# KiCad board DecentXE-Vintage.kicad_pcb (continued)
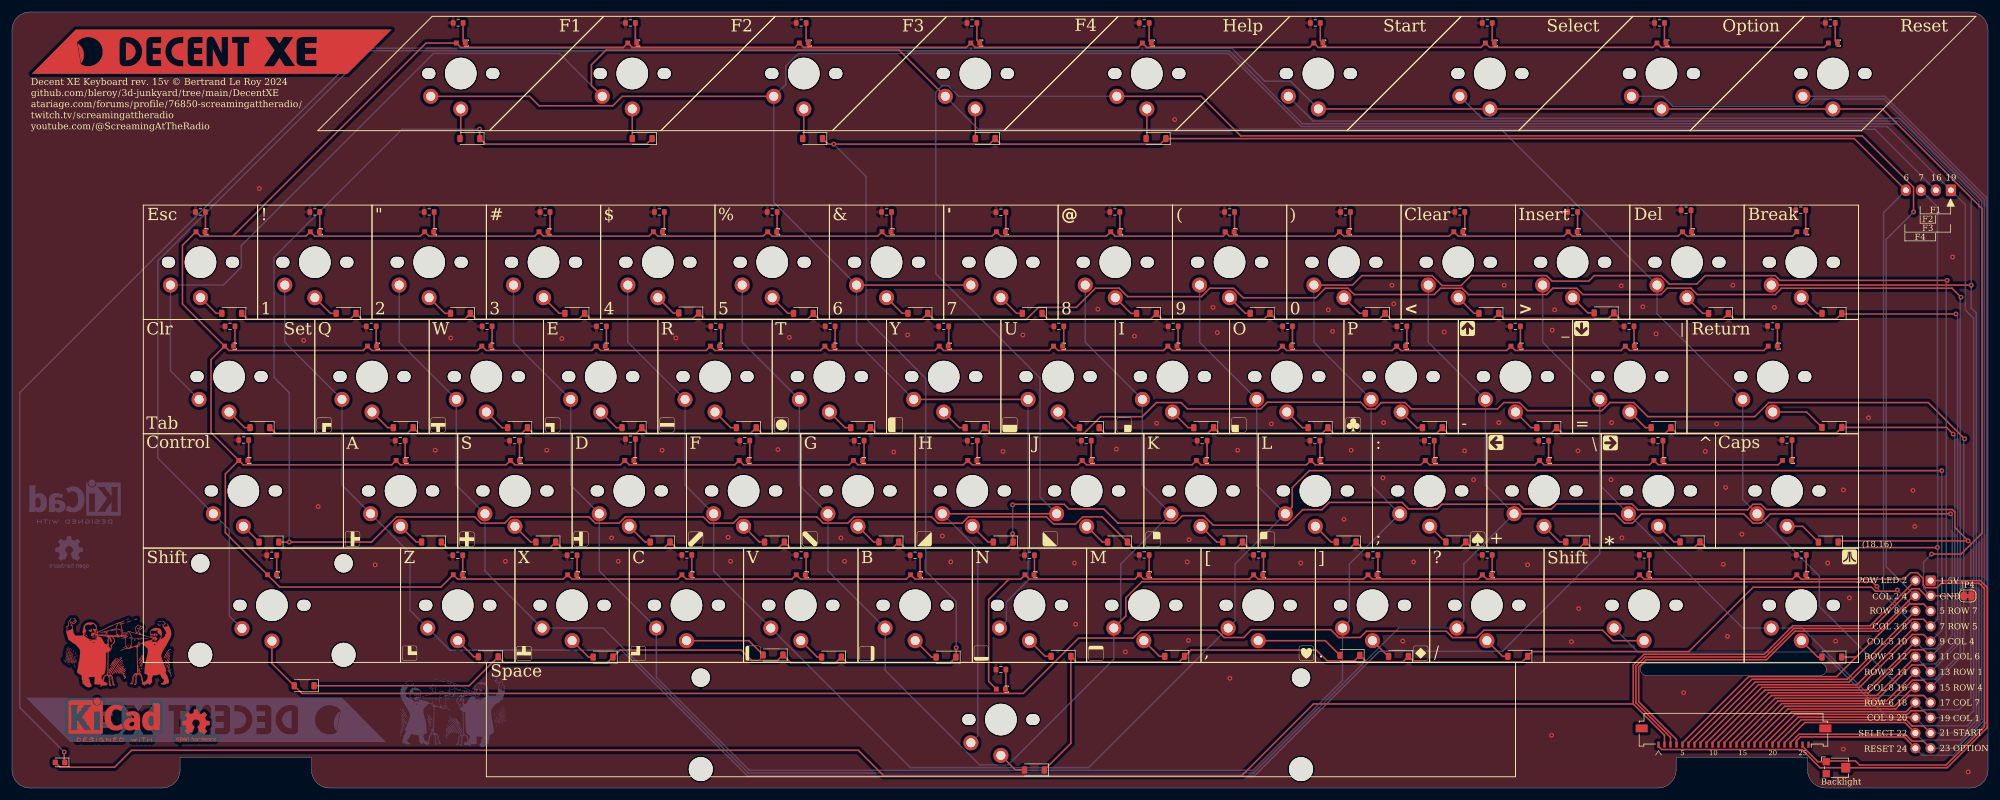
[diagram p0: board, top side]
## Nets (continued)
Net-(D123-A): D123.2 SWFn2.2
Net-(D124-A): D124.2 SWCps1.2
Net-(D125-A): D125.2 SWFn4.2
Net-(D126-A): D126.2 SWBrk1.2
Net-(D127-A): D127.2 SWCtl1.2
Net-(D128-A): D128.2 SWLeftSft1.2 SWRightSft1.2
Net-(R1-Pad1): R1.1 SW7.3
Net-(R2-Pad1): R2.1 SW6.3
Net-(R3-Pad1): R3.1 SWU1.3
Net-(R4-Pad1): R4.1 SWY1.3
Net-(R5-Pad1): R5.1 SWFn1.3
Net-(R6-Pad1): R6.1 SWN1.3
Net-(R7-Pad1): R7.1 SWFn3.3
Net-(R8-Pad1): R8.1 SWJ1.3
Net-(R9-Pad1): R9.1 SWH1.3
Net-(R10-Pad1): R10.1 SWSpc1.3
Net-(R11-Pad1): R11.1 SWHlp1.3
Net-(R12-Pad1): R12.1 SW8.3
Net-(R13-Pad1): R13.1 SW5.3
Net-(R14-Pad1): R14.1 SWI1.3
Net-(R15-Pad1): R15.1 SWT1.3
Net-(R16-Pad1): R16.1 SWK1.3
Net-(R17-Pad1): R17.1 SWG1.3
Net-(R18-Pad1): R18.1 SWM1.3
Net-(R19-Pad1): R19.1 SWB1.3
Net-(R20-Pad1): R20.1 SW9.3
Net-(R21-Pad1): R21.1 SW4.3
Net-(R22-Pad1): R22.1 SWO1.3
Net-(R23-Pad1): R23.1 SWR1.3
Net-(R24-Pad1): R24.1 SWL1.3
Net-(R25-Pad1): R25.1 SWF1.3
Net-(R26-Pad1): R26.1 SWComma1.3
Net-(R27-Pad1): R27.1 SWV1.3
Net-(R28-Pad1): R28.1 SW0.3
Net-(R29-Pad1): R29.1 SW3.3
Net-(R30-Pad1): R30.1 SWP1.3
Net-(R31-Pad1): R31.1 SWE1.3
Net-(R32-Pad1): R32.1 SWSemi1.3
Net-(R33-Pad1): R33.1 SWD1.3
Net-(R34-Pad1): R34.1 SWPeriod1.3
Net-(R35-Pad1): R35.1 SWC1.3
Net-(R36-Pad1): R36.1 SWLT1.3
Net-(R37-Pad1): R37.1 SW2.3
Net-(R38-Pad1): R38.1 SWDash1.3
Net-(R39-Pad1): R39.1 SWW1.3
Net-(R40-Pad1): R40.1 SWPlus1.3
Net-(R41-Pad1): R41.1 SWS1.3
Net-(R42-Pad1): R42.1 SWSlash1.3
Net-(R43-Pad1): R43.1 SWX1.3
Net-(R44-Pad1): R44.1 SWGT1.3
Net-(R45-Pad1): R45.1 SW1.3
Net-(R46-Pad1): R46.1 SWEqual1.3
Net-(R47-Pad1): R47.1 SWQ1.3
Net-(R48-Pad1): R48.1 SWStar1.3
Net-(R49-Pad1): R49.1 SWA1.3
Net-(R50-Pad1): R50.1 SWInv1.3
Net-(R51-Pad1): R51.1 SWZ1.3
Net-(R52-Pad1): R52.1 SWDel1.3
Net-(R53-Pad1): R53.1 SWEsc1.3
Net-(R54-Pad1): R54.1 SWRet1.3
Net-(R55-Pad1): R55.1 SWTab1.3
Net-(R56-Pad1): R56.1 SWFn2.3
Net-(R57-Pad1): R57.1 SWCps1.3
Net-(R58-Pad1): R58.1 SWFn4.3
Net-(R59-Pad1): R59.1 SWRightSft1.3
Net-(R60-Pad1): R60.1 SWBrk1.3
Net-(R61-Pad1): R61.1 SWCtl1.3
Net-(R62-Pad1): R62.1 SWLeftSft1.3
Net-(R63-Pad1): R63.1 SWStart1.3
Net-(R64-Pad1): R64.1 SWSelect1.3
Net-(R65-Pad1): R65.1 SWOption1.3
Net-(R66-Pad1): R66.1 SWReset1.3

Pads without a net: J2 MP; RV1 3

## Via types
v1: diameter 0.8, hole 0.4, Top to Bottom, 110 vias

## Routing (per net, layer and track width the routed paths; a pad name or vN(x,y) marks a point on that pad's centre or on a via; arc(x,y) is an arc through that point)
GND: length 574.1
  Top w0.25: v1(319.8,38.98) 324.73,38.98 328.2,42.45 328.2,96.56 311.61,113.15 SWReset1.2 SWOption1.2 SWSelect1.2 SWStart1.2 ; J2.3 276.3,8.44 270.55,14.19 270.55,20.32 272.06,21.83 292.11,21.83 296.86,26.58 309.9,26.58 316.52,33.19 317.7,33.19 318.88,32.02 J1.3 325.13,32.02 ; v1(8.7,5.98) 8.7,4.35
  Bottom w0.25: v1(8.7,5.98) 1.3,13.38 1.3,65.88 58.7,123.28 203.2,123.28 208.7,117.78 213.01,117.78 SWStart1.2 ; J1.3 318.46,33.19 318.46,37.64 v1(319.8,38.98)
VCC_LED: length 1532
  Top w0.25: 36.8,91.95 31.38,91.95 SWEsc1.4 28.4,90.43 28.4,80.64 SWTab1.4 ; 36.8,91.95 68.97,124.13 SWFn1.4 74.74,123.41 101.86,123.41 SWFn2.4 103.31,123.41 130.44,123.41 SWFn3.4 131.89,123.41 159.01,123.41 SWFn4.4 160.46,123.41 187.59,123.41 SWHlp1.4 189.04,123.41 216.16,123.41 SWStart1.4 217.61,123.41 244.74,123.41 SWSelect1.4 246.19,123.41 273.32,123.41 SWOption1.4 274.77,123.41 301.89,123.41 SWReset1.4 ; 36.8,91.95 48.97,91.95 SW1.4 50.42,91.95 68.03,91.95 SW2.4 69.47,91.95 87.08,91.95 SW3.4 88.53,91.95 106.13,91.95 SW4.4 107.58,91.95 125.17,91.95 SW5.4 126.63,91.95 144.23,91.95 SW6.4 145.68,91.95 163.27,91.95 SW7.4 164.73,91.95 182.32,91.95 SW8.4 183.77,91.95 201.77,91.95 202.5,92.68 ; SWSpc1.4 162.71,17.77 162.71,31.41 166.1,34.8 ; SWCtl1.4 35.54,52.33 35.54,42.54 SWLeftSft1.4 44.61,33.48 71.46,33.48 SWZ1.4 74.24,34.8 91.84,34.8 SWX1.4 93.29,34.8 110.89,34.8 SWC1.4 112.34,34.8 129.94,34.8 SWV1.4 131.39,34.8 148.99,34.8 SWB1.4 150.44,34.8 166.1,34.8 ; SWCtl1.4 38.52,53.85 63.26,53.85 SWA1.4 64.71,53.85 82.31,53.85 SWS1.4 83.76,53.85 101.36,53.85 SWD1.4 102.81,53.85 120.41,53.85 SWF1.4 121.86,53.85 139.46,53.85 SWG1.4 140.91,53.85 158.51,53.85 SWH1.4 159.96,53.85 177.56,53.85 SWJ1.4 179.01,53.85 196.61,53.85 SWK1.4 198.06,53.85 215.66,53.85 SWL1.4 217.11,53.85 234.71,53.85 SWSemi1.4 236.16,53.85 253.76,53.85 SWPlus1.4 255.21,53.85 272.81,53.85 SWStar1.4 274.26,53.85 294.24,53.85 SWCps1.4 ; SWCtl1.4 33.16,59.21 33.16,71.38 SWTab1.4 ; SWRet1.4 291.86,72.91 269.5,72.91 SWEqual1.4 268.05,72.91 250.45,72.91 SWDash1.4 249,72.91 231.4,72.91 SWP1.4 229.95,72.91 212.35,72.91 SWO1.4 210.9,72.91 193.3,72.91 SWI1.4 191.85,72.91 174.25,72.91 SWU1.4 172.8,72.91 155.2,72.91 SWY1.4 153.75,72.91 136.15,72.91 SWT1.4 134.7,72.91 117.1,72.91 SWR1.4 115.65,72.91 98.05,72.91 SWE1.4 96.6,72.91 79,72.91 SWW1.4 77.55,72.91 59.95,72.91 SWQ1.4 58.5,72.91 36.14,72.91 SWTab1.4 ; 166.1,34.8 168.04,34.8 SWN1.4 169.49,34.8 187.09,34.8 SWM1.4 188.54,34.8 206.14,34.8 SWComma1.4 207.59,34.8 225.19,34.8 SWPeriod1.4 226.64,34.8 244.24,34.8 SWSlash1.4 245.69,34.8 270.43,34.8 SWRightSft1.4 271.88,34.8 296.62,34.8 SWInv1.4 298.07,34.8 315.22,34.8 316.3,35.88 317.44,35.88 318.4,34.92 318.4,33.78 318.79,33.38 320.7,33.38 321.43,34.11 327.73,34.11 328.6,33.24 328.6,10.22 322.22,3.83 307.8,3.83 307.12,4.51 302.38,4.51 ; 298.3,6.94 300.85,4.38 RV1.1 ; SWBrk1.4 296.62,91.95 279.02,91.95 SWDel1.4 277.57,91.95 259.97,91.95 SWGT1.4 258.52,91.95 240.93,91.95 SWLT1.4 239.47,91.95 221.88,91.95 SW0.4 220.43,91.95 202.82,91.95 SW9.4
COL_1: length 533
  Top w0.25: J1.19 318.46,12.88 316.4,12.88 315.79,12.26 297.02,12.26 292.3,7.54 ; SWFn1.1 86.23,115.25 87.81,113.67 100.09,113.67 101.67,115.25 SWFn3.1 ; SW6.1 SW7.1 ; SWY1.1 SWU1.1
  Bottom w0.25: SWN1.1 165.66,27.8 165.66,30.98 169.27,34.6 SWU1.1 ; J1.19 325.62,11.7 326.8,12.88 326.8,78.28 325.43,79.66 325.43,97.19 J3.1 312.39,110.22 214.8,110.22 202.64,122.38 131,122.38 128.91,120.29 128.91,117.25 SWFn3.1 126.91,97.59 SW6.1 140.7,74.27 SWY1.1
COL_2: length 447.2
  Top w0.25: v1(316.8,95.98) 316.8,100.1 308.24,108.66 204.7,108.66 198.11,115.25 SWHlp1.1 ; SWH1.1 SWJ1.1 ; J2.4 277.3,8.08 271,14.38 271,20.13 272.25,21.38 292.3,21.38 297.04,26.12 310.91,26.12 316.8,32.02
  Bottom w0.25: SWH1.1 160.89,39.79 160.89,8.67 SWSpc1.1 ; SWJ1.1 171.27,48.46 171.27,68.3 153.91,85.67 153.91,115.9 154.99,116.98 155.98,116.98 157.71,115.25 SWHlp1.1 ; J1.4 312.25,36.87 312.25,91.43 v1(316.8,95.98)
COL_3: length 383.8
  Top w0.25: J1.8 307.37,17.21 290.97,17.21 281.3,7.54 ; v1(310.7,33.58) 309.93,34.35 188.22,34.35 185.56,31.69 185.56,28.65 SWM1.1
  Bottom w0.25: v1(310.7,33.58) 310.7,33.34 J1.8 ; SW8.1 178.8,74.27 SWI1.1 188.32,50.46 SWK1.1 184.71,37.32 184.71,27.8 SWM1.1 183.56,21.44 165.98,3.85 161.2,3.85 145.46,19.59 SWB1.1 135.94,36.17 SWG1.1 131.18,50.46 SWT1.1 121.65,74.27 SW5.1
COL_4: length 418.2
  Top w0.25: 282.3,7.54 291.52,16.76 307.78,16.76 316.59,25.58 318.46,25.58 J1.9 ; v1(321.5,52.88) 216.13,52.88 213.28,50.03 213.28,46.84 SWL1.1
  Bottom w0.25: v1(321.5,52.88) 321.5,26.26 J1.9 ; SW9.1 197.85,74.27 SWO1.1 207.38,50.46 SWL1.1 203.76,37.32 203.76,27.8 SWComma1.1 179.37,3.41 149.66,3.41 SWV1.1 116.89,36.17 SWF1.1 112.13,50.46 SWR1.1 102.6,74.27 SW4.1
COL_5: length 494.4
  Top w0.25: 283.3,7.59 292.02,16.31 309.01,16.31 J1.10 ; SW0.1 223.32,83.8 224.89,85.38 236.6,85.38 238.25,83.72 241.42,83.72 243.07,85.38 255.65,85.38 256.57,84.45 262.67,84.45 263.59,85.38 274.7,85.38 276.1,83.98 280.7,83.98 282.09,85.38 293.75,85.38 294.55,84.58 v1(322.4,84.58)
  Bottom w0.25: J1.10 318.27,23.22 320.37,23.22 322.22,25.08 322.22,84.41 v1(322.4,84.58) ; SW0.1 216.9,74.27 SWP1.1 226.43,50.46 SWSemi1.1 222.81,37.32 222.81,27.8 SWPeriod1.1 221.66,17.94 206.68,2.95 122.83,2.95 107.36,18.42 SWC1.1 97.84,36.17 SWD1.1 93.08,50.46 SWE1.1 83.55,74.27 SW3.1
COL_6: length 449.4
  Top w0.25: SWPlus1.1 267.06,45.7 268.64,44.12 269.94,44.12 271.49,45.68 288.51,45.68 290.07,44.12 291.37,44.12 292.93,45.68 v1(322.95,45.68) ; 284.3,7.54 292.62,15.86 309.28,15.86 316.45,23.03 318.46,23.03 J1.11
  Bottom w0.25: SW2.1 64.5,74.27 SWW1.1 74.03,50.46 SWS1.1 78.79,36.17 SWX1.1 98.49,26.65 122.64,2.5 206.86,2.5 231.01,26.65 SWSlash1.1 241.86,27.8 241.86,37.32 SWPlus1.1 245.47,50.46 SWDash1.1 235.95,74.27 SWLT1.1 ; J1.11 323.22,25.44 323.22,45.41 v1(322.95,45.68)
COL_7: length 439.7
  Top w0.25: J1.17 318.46,15.41 316.05,15.41 313.8,13.16 295.88,13.16 290.3,7.59
  Bottom w0.25: 264.52,50.46 SWStar1.1 288.34,26.65 SWInv1.1 298.23,26.65 309.46,15.41 318.46,15.41 J1.17 ; 264.52,50.46 SWEqual1.1 255,74.27 SWGT1.1 ; 264.52,50.46 264.52,39 248.3,22.78 227.77,22.78 207.05,2.06 122.45,2.06 101.53,22.97 72.94,22.97 SWZ1.1 66.3,29.61 66.3,39.14 SWA1.1 54.97,50.46 SWQ1.1 45.45,74.27 SW1.1
COL_8: length 509
  Top w0.25: SWFn4.1 147.78,122.95 98.97,122.95 96.53,120.51 96.53,117.06 SWFn2.1 ; 316.78,16.78 313.61,13.61 295.32,13.61 289.3,7.59
  Bottom w0.25: SWTab1.1 26.4,69.51 SWEsc1.1 35.22,83.8 38.2,86.78 38.2,90.38 70.2,122.38 91.21,122.38 SWFn2.1 ; 248.1,109.78 310.34,109.78 J3.2 ; 248.1,109.78 160.96,109.78 SWFn4.1 ; 248.1,109.78 248.1,109.75 SWDel1.1 274.05,79.04 SWRet1.1 288.34,48.08 SWCps1.1 301.1,35.32 301.1,30.28 314.6,16.78 J1.16
COL_9: length 607.1
  Top w0.25: 293.3,7.54 297.57,11.81 316.99,11.81 ; v1(326.4,83.78) 326.38,83.8 SWBrk1.1
  Bottom w0.25: SWRightSft1.1 270.89,22.66 301.58,22.66 312.54,11.7 J1.20 318.42,10.38 325.75,10.38 327.25,11.88 327.25,79.13 326.39,79.99 326.39,98.37 314.09,110.67 214.99,110.67 202.83,122.83 59.3,122.83 24.3,87.83 24.3,54.94 SWCtl1.1 36.2,43.04 36.2,28.69 SWLeftSft1.1
LED_GND:
  vias: v1(41.2,99.88) v1(48.6,74.58) v1(51,46.88) v1(60.5,37.18) v1(70.5,56.28) v1(73.1,74.98) v1(82.2,37.78) v1(89.1,56.28) v1(91.6,74.88) v1(99.9,41.68) v1(101,37.78) v1(108.3,56.28) v1(110.6,74.98) v1(119.3,41.78) v1(119.7,37.78) v1(127.6,56.38) v1(129.5,75.08) v1(138.1,41.68) v1(138.7,37.78) v1(146.9,55.98) v1(149.2,75.48) v1(155,41.98) v1(156.4,37.68) v1(165.1,56.08) v1(168.4,75.48) v1(177,37.48) v1(177.2,27.28) v1(180.9,79.78) v1(184,56.48) v1(185.5,22.68) v1(187,75.28) v1(190.7,60.78) v1(193.7,111.38) v1(195.8,37.68) v1(196,24.58) v1(196.1,41.38) v1(200.1,80.08) v1(200.8,75.88) v1(202.9,18.28) v1(204.2,56.28) v1(209.8,60.68) v1(214.7,37.48) v1(219.3,79.68) v1(220,76.08) v1(221.9,44.78) v1(223.1,56.28) v1(228.4,51.68) v1(228.5,60.88) v1(229.9,83.78) v1(230.2,80.68) v1(231.7,24.48) v1(233.5,37.68) v1(238.6,75.98) v1(242,56.18) v1(243.5,51.38) v1(247.7,60.88) v1(248.6,83.78) v1(252.5,37.18) v1(256.5,8.78) v1(256.6,76.28) v1(257,79.68) v1(259.8,24.38) v1(260.9,56.18) v1(261,29.88) v1(266.4,51.38) v1(266.5,60.88) v1(268.1,83.68) v1(268.2,41.68) v1(271.7,80.18) v1(273.9,75.68) v1(278.5,15.88) v1(282.1,56.08) v1(284,60.68) v1(285.1,37.28) v1(285.5,50.08) v1(285.8,25.28) v1(286.7,83.78) v1(288.2,42.28) v1(293.6,80.08) v1(302.5,37.48) v1(303.8,24.48) v1(305.1,49.68) v1(305.1,6.48) v1(306.1,31.68) v1(309.3,61.68) v1(316.7,49.58) v1(317,43.58) v1(323.3,88.48) v1(325.9,2.68)
OPTION: length 189.5
  Top w0.25: J1.23 318.46,7.79 316.56,7.79 315.4,8.96 297.72,8.96 296.3,7.54
  Bottom w0.25: J1.23 323.9,6.62 328.6,11.32 328.6,98.07 311.87,114.8 300.14,114.8 298.92,113.58 276.7,113.58 275.03,115.25 SWOption1.1
POWER: length 92.3
  Top w0.25: 274.3,6.94 274.82,6.41 298.19,6.41 301.22,3.38 RV1.2 322.4,3.38 329.05,10.03 329.05,33.43 327.92,34.56 J1.1
PWR_LED: length 339.3
  Top w0.25: J2.2 275.3,8.81 270.1,14.01 ; 270.1,14.01 216.83,14.01 204.91,2.09 145.19,2.09 141,6.28 19.9,6.28 17.08,3.46 8.01,3.46 D1.2 ; 270.1,14.01 270.1,20.5 271.88,22.28 291.93,22.28 296.67,27.02 309.56,27.02 J1.2
RESET: length 161.2
  Top w0.25: J2.24 297.3,7.88 297.93,8.51 315.21,8.51 J1.24
  Bottom w0.25: SWReset1.1 312.06,115.25 328.93,98.38 329.05,98.38 329.05,11.13 323.37,5.44 318.27,5.44 J1.24
ROW_1: length 258.3
  Top w0.25: D126.1 303.93,78.16 286.88,78.16 D119.1 285.02,78.16 267.89,78.16 D111.1 265.96,78.24 248.53,78.24 D103.1 246.75,78.17 229.68,78.17 228.76,79.09 227.83,78.17 210.5,78.17 D87.1 208.65,78.17 191.56,78.17 D79.1 189.73,78.15 172.55,78.15 D68.1 ; 286.3,7.54 293.72,14.96 310.98,14.96 316.51,20.5 318.46,20.5 J1.13 ; v1(323.85,78.98) 304.95,78.98
  Bottom w0.25: v1(323.85,78.98) 324.12,78.7 324.12,23.8 J1.13
ROW_2: length 404
  Top w0.25: J1.14 312.29,14.51 294.22,14.51 287.3,7.59 ; v1(324.7,81.78) 323.2,83.27 294.8,83.27 293.75,82.22 280.75,82.22 279.7,83.28 275.76,83.28 274.7,82.22 261.7,82.22 260.65,83.27 256.7,83.27 255.65,82.22 242.65,82.22 241.6,83.27 238,83.27 236.94,82.22 223.6,82.22 222.55,83.27 218.8,83.27 217.2,81.68 205.1,81.68 203.5,83.27 199.55,83.27 198.16,81.88 185.85,81.88 184.45,83.27 180.5,83.27 177.31,80.08 171,80.08 169,78.08 153.57,78.08 D69.1 151.63,78.17 134.43,78.17 D80.1 132.58,78.17 115.36,78.17 D88.1 113.45,78.22 96.28,78.22 D96.1 94.48,78.17 77.28,78.17 D104.1 75.43,78.17 58.23,78.17 D112.1 56.38,78.17 39.18,78.17 D120.1
  Bottom w0.25: J1.14 318.27,18.15 320.37,18.15 324.57,22.35 324.57,81.66 v1(324.7,81.78)
ROW_3: length 228.6
  Top w0.25: 285.3,7.59 293.12,15.41 310.65,15.41 J1.12 ; v1(323.4,58.98) 322.3,60.08 D121.1 303.93,59.16 277.27,59.16 D113.1 275.46,59.12 258.26,59.12 D105.1 256.41,59.12 239.21,59.12 D97.1 237.36,59.12 220.16,59.12 D89.1 218.31,59.12 201.11,59.12 D81.1 199.26,59.12 182.06,59.12 D70.1
  Bottom w0.25: J1.12 318.27,20.69 320.37,20.69 323.68,23.99 323.68,58.7 v1(323.4,58.98)
ROW_4: length 377.5
  Top w0.25: 288.3,7.54 294.82,14.06 312.72,14.06 316.61,17.95 318.46,17.95 J1.15 ; v1(325.3,58.18) 319.25,64.22 292.69,64.22 290.34,61.88 272.52,61.88 270.18,64.22 266.23,64.22 264.88,62.88 252.47,62.88 251.13,64.22 248.54,64.22 247.5,63.17 233.13,63.17 232.08,64.22 228.13,64.22 227.08,63.17 225.77,63.17 224.67,64.28 209.13,64.28 208.03,63.17 195.81,63.17 194.75,64.22 190.64,64.22 188.29,61.87 181.36,61.87 178.61,59.12 163.01,59.12 D71.1 161.16,59.12 143.96,59.12 D82.1 142.11,59.12 124.91,59.12 D90.1 123.06,59.12 105.86,59.12 D98.1 104.01,59.12 86.81,59.12 D106.1 84.96,59.12 67.76,59.12 D114.1 65.91,59.12 43.88,59.12 D122.1
  Bottom w0.25: J1.15 325.18,22.31 325.18,58.05 v1(325.3,58.18)
ROW_5: length 534.6
  Top w0.25: D72.1 78.86,107.28 105.71,107.28 D123.1 ; v1(320.77,40.08) 320.75,40.05 282.16,40.05 D115.1 280.28,40.08 263.08,40.08 D107.1 261.23,40.08 243.12,40.08 D99.1 241.26,40.08 224.84,40.08 D91.1 223.01,40.07 205.93,40.07 D83.1 204.08,40.07 186.76,40.07 D75.1 181.65,45.17 178.39,45.17 177.19,43.98 173.53,43.98 172.34,45.17 159.34,45.17 158.29,44.12 154.25,44.12 153.2,45.17 140.29,45.17 139.24,44.12 135.15,44.12 134.11,45.17 121.24,45.17 120.19,44.12 116.24,44.12 115.19,45.17 102.19,45.17 101.14,44.12 97.19,44.12 96.13,45.18 83.14,45.18 82.09,44.12 78.14,44.12 77.09,45.17 64.09,45.17 59.89,40.98 v1(46.2,40.98) D127.1 ; v1(77.9,109.78) 77.9,108.25 ; J1.7 318.46,28.11 316.53,28.11 306.08,17.66 290.43,17.66 280.3,7.54
  Bottom w0.25: v1(77.9,109.78) 65,109.78 43.64,88.42 43.64,68.4 46.2,65.85 v1(46.2,40.98) ; J1.7 320.81,28.11 320.81,52.54 320.77,52.58 320.77,96.84 J3.3
ROW_6: length 361.7
  Top w0.25: v1(166.7,47.18) 166.8,47.27 175.31,47.27 176.08,46.5 181.88,46.5 184.25,44.12 193.74,44.12 194.99,45.38 198.53,45.38 200.13,43.78 212.44,43.78 215.04,46.38 218.26,46.38 219.46,47.58 231.6,47.58 232.68,46.5 237.43,46.5 238.21,47.28 251.1,47.28 251.88,46.5 256.48,46.5 257.33,47.35 269.86,47.35 270.86,46.35 289.14,46.35 290.07,47.27 291.37,47.27 292.24,46.41 323.25,46.41 323.68,45.98 323.68,43.41 v1(325.9,41.18) 304.45,41.18 ; v1(166.7,42.38) 166.7,41.07 ; 166.78,40.99 165.86,40.07 148.66,40.07 D84.1 146.81,40.07 129.61,40.07 D92.1 127.76,40.07 110.56,40.07 D100.1 108.71,40.07 91.5,40.07 D108.1 89.66,40.07 72.46,40.07 D116.1 ; 291.3,7.54 296.47,12.71 315.57,12.71 J1.18
  Bottom w0.25: J1.18 318.27,13.06 324.38,13.06 326.35,15.03 326.35,40.73 v1(325.9,41.18) ; v1(166.7,47.18) v1(166.7,42.38)
ROW_7: length 228.3
  Top w0.25: D77.1 176.41,7.44 D73.1 177.33,21.02 194.43,21.02 D85.1 196.39,22.97 217.31,22.97 219.11,21.17 223.63,21.17 D93.1 225.63,21.02 231.71,21.02 D101.1 233.56,21.02 251.58,21.02 D109.1 253.29,22.73 279.35,22.73 290.07,33.45 309.8,33.45 310.47,32.78 313.9,32.78 v1(314.1,32.98) ; 307.25,21.83 307.23,21.81 D117.1 ; 307.25,21.83 303.98,18.56 289.32,18.56 278.3,7.54 ; 307.25,21.83 316.07,30.66 318.46,30.66 J1.5
  Bottom w0.25: v1(314.1,32.98) 316.43,30.66 318.46,30.66 J1.5
ROW_8: length 514.3
  Top w0.25: D86.1 156.33,20.89 139.09,20.89 D94.1 137.24,20.89 129.72,20.89 D102.1 127.51,21.25 123.23,21.25 121.51,22.97 101.28,22.97 D110.1 99.19,20.89 81.98,20.89 D118.1 76.17,17.04 D128.1 ; J1.6 305.73,18.11 289.88,18.11 279.3,7.54 ; v1(157.3,23.38) 157.3,21.86 ; J3.4 306.91,108.21 D78.1 191.31,107.28 164.71,107.28 D125.1 162.87,107.28 135.96,107.28 D74.1
  Bottom w0.25: v1(136.9,107.28) 142.27,101.91 142.27,78.2 152.23,68.25 152.23,36.16 157.3,31.08 v1(157.3,23.38) ; J1.6 315.2,29.48 311.8,32.88 311.8,95.88 J3.4
SELECT: length 217.4
  Top w0.25: 295.3,7.54 298.68,10.91 315.35,10.91 J1.22
  Bottom w0.25: J1.22 318.27,7.98 324.63,7.98 328.15,11.5 328.15,97.89 314.46,111.57 244.89,111.57 SWSelect1.1
START: length 245.3
  Top w0.25: 294.3,7.59 298.07,11.36 315.54,11.36 316.56,10.34 318.46,10.34 J1.21
  Bottom w0.25: J1.21 325.17,9.16 327.7,11.69 327.7,97.7 314.27,111.12 216.76,111.12 SWStart1.1
Net-(D68-A): length 4.6
  Top w0.25: SW7.2 167.36,79.09 D68.2
Net-(D69-A): length 4.6
  Top w0.25: D69.2 148.31,79.09 SW6.2
Net-(D70-A): length 4.6
  Top w0.25: SWU1.2 176.88,60.04 D70.2
Net-(D71-A): length 4.6
  Top w0.25: D71.2 157.83,60.04 SWY1.2
Net-(D72-A): length 4.8
  Top w0.25: SWFn1.2 74.76,108.33
Net-(D73-A): length 4.7
  Top w0.25: D73.2 172.12,21.94 SWN1.2
Net-(D74-A): length 4.8
  Top w0.25: SWFn3.2 131.91,108.38
Net-(D75-A): length 4.6
  Top w0.25: SWJ1.2 181.65,40.99 D75.2
Net-(D76-A): length 4.6
  Top w0.25: D76.2 162.6,40.99 SWH1.2
Net-(D77-A): length 4.9
  Top w0.25: SWSpc1.2 167.16,3.02 D77.2
Net-(D78-A): length 4.8
  Top w0.25: SWHlp1.2 189.06,108.33
Net-(D79-A): length 4.6
  Top w0.25: SW8.2 186.43,79.07 D79.2
Net-(D80-A): length 4.6
  Top w0.25: SW5.2 129.26,79.09 D80.2
Net-(D81-A): length 4.6
  Top w0.25: D81.2 195.93,60.04 SWI1.2
Net-(D82-A): length 4.6
  Top w0.25: SWT1.2 138.78,60.04 D82.2
Net-(D83-A): length 4.7
  Top w0.25: SWK1.2 200.7,40.99 D83.2
Net-(D84-A): length 4.6
  Top w0.25: SWG1.2 143.55,40.99 D84.2
Net-(D85-A): length 4.6
  Top w0.25: D85.2 191.17,21.94 SWM1.2
Net-(D86-A): length 4.6
  Top w0.25: SWB1.2 153.2,21.81 D86.2
Net-(D87-A): length 4.5
  Top w0.25: SW9.2 205.46,79.09 D87.2
Net-(D88-A): length 4.5
  Top w0.25: D88.2 110.15,79.14 SW4.2
Net-(D89-A): length 4.6
  Top w0.25: SWO1.2 214.98,60.04 D89.2
Net-(D90-A): length 4.6
  Top w0.25: SWR1.2 119.73,60.04 D90.2
Net-(D91-A): length 4.6
  Top w0.25: D91.2 219.75,40.99 SWL1.2
Net-(D92-A): length 4.6
  Top w0.25: D92.2 124.5,40.99 SWF1.2
Net-(D93-A): length 14.7
  Top w0.25: D93.2 218.8,24.55 SWComma1.2
Net-(D94-A): length 4.6
  Top w0.25: SWV1.2 134.15,21.81 D94.2
Net-(D95-A): length 4.6
  Top w0.25: D95.2 224.51,79.09 SW0.2
Net-(D96-A): length 4.6
  Top w0.25: SW3.2 91.16,79.09 D96.2
Net-(D97-A): length 4.6
  Top w0.25: D97.2 234.03,60.04 SWP1.2
Net-(D98-A): length 4.6
  Top w0.25: D98.2 100.68,60.04 SWE1.2
Net-(D99-A): length 3.7
  Top w0.25: SWSemi1.2 238.78,41.01
Net-(D100-A): length 4.6
  Top w0.25: D100.2 105.45,40.99 SWD1.2
Net-(D101-A): length 3.7
  Top w0.25: SWPeriod1.2 229.27,21.94
Net-(D102-A): length 13.8
  Top w0.25: D102.2 122.76,24.55 SWC1.2
Net-(D103-A): length 4.5
  Top w0.25: D103.2 243.56,79.09 SWLT1.2
Net-(D104-A): length 4.6
  Top w0.25: D104.2 72.11,79.09 SW2.2
Net-(D105-A): length 4.6
  Top w0.25: SWDash1.2 253.08,60.04 D105.2
Net-(D106-A): length 4.6
  Top w0.25: SWW1.2 81.63,60.04 D106.2
Net-(D107-A): length 4.7
  Top w0.25: D107.2 257.83,41.01 SWPlus1.2
Net-(D108-A): length 4.6
  Top w0.25: SWS1.2 86.4,40.99 D108.2
Net-(D109-A): length 4.6
  Top w0.25: D109.2 248.32,21.94 SWSlash1.2
Net-(D110-A): length 4.6
  Top w0.25: SWX1.2 96.05,21.81 D110.2
Net-(D111-A): length 4.6
  Top w0.25: D111.2 262.54,79.16 SWGT1.2
Net-(D112-A): length 4.6
  Top w0.25: SW1.2 53.06,79.09 54.01,79.09
Net-(D113-A): length 4.6
  Top w0.25: D113.2 272.13,60.04 SWEqual1.2
Net-(D114-A): length 4.6
  Top w0.25: SWQ1.2 62.58,60.04 D114.2
Net-(D115-A): length 4.7
  Top w0.25: D115.2 276.88,41.01 SWStar1.2
Net-(D116-A): length 4.6
  Top w0.25: SWA1.2 67.35,40.99 D116.2
Net-(D117-A): length 4.6
  Top w0.25: D117.2 300.84,21.81 SWInv1.2
Net-(D118-A): length 4.6
  Top w0.25: SWZ1.2 76.94,21.87 D118.2
Net-(D119-A): length 4.7
  Top w0.25: D119.2 281.67,79.08 SWDel1.2
Net-(D120-A): length 4.6
  Top w0.25: D120.2 34.01,79.09 SWEsc1.2
Net-(D121-A): length 9.3
  Top w0.25: SWRet1.2 298.98,62.65 D121.2
Net-(D122-A): length 4.6
  Top w0.25: SWTab1.2 38.77,60.04 D122.2
Net-(D123-A): length 4.9
  Top w0.25: SWFn2.2 103.34,108.21
Net-(D124-A): length 6.3
  Top w0.25: SWCps1.2 298.33,43.6 D124.2
Net-(D125-A): length 4.9
  Top w0.25: SWFn4.2 160.49,108.21
Net-(D126-A): length 4.5
  Top w0.25: SWBrk1.2 300.72,79.08 D126.2
Net-(D127-A): length 3.7
  Top w0.25: SWCtl1.2 41.15,40.99
Net-(D128-A): length 242.4
  Top w0.25: SWRightSft1.2 266.73,24.55 265,26.28 245.22,26.28 244.01,25.08 240,25.08 238.95,26.12 225.64,26.12 224.6,25.08 221.01,25.08 219.71,26.38 206.5,26.38 205.19,25.08 201.96,25.08 200.76,26.28 188.07,26.28 186.77,24.98 177.7,24.98 168.48,15.75 48.31,15.75 D128.2 43.31,20.76 SWLeftSft1.2
Net-(R1-Pad1): length 3.2
  Top w0.25: R1.1 165.57,92.75
Net-(R2-Pad1): length 3.2
  Top w0.25: R2.1 146.52,92.75
Net-(R3-Pad1): length 3.1
  Top w0.25: R3.1 175.23,73.83
Net-(R4-Pad1): length 3.2
  Top w0.25: R4.1 156.05,73.7
Net-(R5-Pad1): length 3.5
  Top w0.25: SWFn1.3 75.15,124.49 R5.1
Net-(R6-Pad1): length 3.2
  Top w0.25: R6.1 170.34,35.6
Net-(R7-Pad1): length 3.5
  Top w0.25: R7.1 132.3,124.49 SWFn3.3
Net-(R8-Pad1): length 3.3
  Top w0.25: R8.1 179.8,54.59
Net-(R9-Pad1): length 3.2
  Top w0.25: R9.1 160.81,54.66
Net-(R10-Pad1): length 3.2
  Top w0.25: R10.1 165.57,16.56
Net-(R11-Pad1): length 3.5
  Top w0.25: SWHlp1.3 189.45,124.49 189.45,127.48
Net-(R12-Pad1): length 3.3
  Top w0.25: R12.1 184.56,92.69
Net-(R13-Pad1): length 3.2
  Top w0.25: 127.48,95.98 127.48,92.75
Net-(R14-Pad1): length 3.1
  Top w0.25: R14.1 194.28,73.83
Net-(R15-Pad1): length 3.1
  Top w0.25: R15.1 137.13,73.83
Net-(R16-Pad1): length 3
  Top w0.25: R16.1 199.1,54.85
Net-(R17-Pad1): length 3
  Top w0.25: R17.1 141.95,54.85
Net-(R18-Pad1): length 3.2
  Top w0.25: 189.45,38.83 189.45,35.67
Net-(R19-Pad1): length 3.2
  Top w0.25: R19.1 151.29,35.6
Net-(R20-Pad1): length 3.2
  Top w0.25: R20.1 203.68,92.75
Net-(R21-Pad1): length 3.4
  Top w0.25: R21.1 108.68,93.01 SW4.3
Net-(R22-Pad1): length 3.1
  Top w0.25: 213.33,76.93 213.33,73.83
Net-(R23-Pad1): length 3.1
  Top w0.25: R23.1 118.08,73.83
Net-(R24-Pad1): length 3.3
  Top w0.25: R24.1 217.9,54.59
Net-(R25-Pad1): length 3
  Top w0.25: 122.9,57.88 122.9,54.85
Net-(R26-Pad1): length 3.2
  Top w0.25: R26.1 208.5,35.67
Net-(R27-Pad1): length 3.2
  Top w0.25: R27.1 132.3,35.67
Net-(R28-Pad1): length 3.4
  Top w0.25: R28.1 222.98,93.01 SW0.3
Net-(R29-Pad1): length 3.4
  Top w0.25: SW3.3 89.63,93.01 R29.1
Net-(R30-Pad1): length 3.1
  Top w0.25: R30.1 232.38,73.83
Net-(R31-Pad1): length 3.1
  Top w0.25: R31.1 99.03,73.83
Net-(R32-Pad1): length 3.3
  Top w0.25: 236.95,57.88 236.95,54.59
Net-(R33-Pad1): length 3.3
  Top w0.25: 103.85,58.14 103.85,54.85
Net-(R34-Pad1): length 3.2
  Top w0.25: R34.1 227.55,35.67
Net-(R35-Pad1): length 3.2
  Top w0.25: R35.1 113.25,35.67
Net-(R36-Pad1): length 3.4
  Top w0.25: SWLT1.3 242.03,93.01 R36.1
Net-(R37-Pad1): length 3.2
  Top w0.25: R37.1 70.33,92.75
Net-(R38-Pad1): length 3.2
  Top w0.25: R38.1 251.3,73.7
Net-(R39-Pad1): length 3.1
  Top w0.25: R39.1 79.98,73.83
Net-(R40-Pad1): length 3.3
  Top w0.25: R40.1 256,54.59
Net-(R41-Pad1): length 3.3
  Top w0.25: R41.1 84.55,54.59
Net-(R42-Pad1): length 3.2
  Top w0.25: R42.1 246.6,35.67
Net-(R43-Pad1): length 3.2
  Top w0.25: R43.1 94.14,35.6
Net-(R44-Pad1): length 3.2
  Top w0.25: R44.1 260.82,92.75
Net-(R45-Pad1): length 3.2
  Top w0.25: R45.1 51.28,92.75
Net-(R46-Pad1): length 3.2
  Top w0.25: 270.22,76.93 270.22,73.68
Net-(R47-Pad1): length 3.2
  Top w0.25: R47.1 60.67,73.68
Net-(R48-Pad1): length 3.3
  Top w0.25: R48.1 275.05,54.59
Net-(R49-Pad1): length 3.3
  Top w0.25: R49.1 65.5,54.59
Net-(R50-Pad1): length 3.2
  Top w0.25: R50.1 298.93,35.6
Net-(R51-Pad1): length 3.2
  Top w0.25: R51.1 75.09,35.6
Net-(R52-Pad1): length 3.5
  Top w0.25: R52.1 279.72,92.75
Net-(R53-Pad1): length 3.2
  Top w0.25: R53.1 32.23,92.75
Net-(R54-Pad1): length 3.3
  Top w0.25: R54.1 294.12,73.67
Net-(R55-Pad1): length 3.1
  Top w0.25: R55.1 37.14,73.86
Net-(R56-Pad1): length 3.1
  Top w0.25: 103.85,127.48 103.85,124.36
Net-(R57-Pad1): length 3.3
  Top w0.25: R57.1 296.54,54.66
Net-(R58-Pad1): length 3.6
  Top w0.25: SWFn4.3 160.75,124.62 R58.1
Net-(R59-Pad1): length 3.2
  Top w0.25: R59.1 272.76,35.64
Net-(R60-Pad1): length 3.6
  Top w0.25: R60.1 298.82,92.7
Net-(R61-Pad1): length 3.3
  Top w0.25: 39.42,57.98 39.42,54.71
Net-(R62-Pad1): length 3.2
  Top w0.25: R62.1 44.1,35.57
Net-(R63-Pad1): length 3.5
  Top w0.25: R63.1 217.96,124.55 SWStart1.3
Net-(R64-Pad1): length 3.5
  Top w0.25: SWSelect1.3 246.6,124.49 R64.1
Net-(R65-Pad1): length 3.1
  Top w0.25: R65.1 275.3,124.38
Net-(R66-Pad1): length 3.5
  Top w0.25: SWReset1.3 303.75,124.49 R66.1

## Copper pours and planes (outline as drawn; the poured copper is in the pictures)
LED_GND on Top, Bottom: 329.82,-0.84 -0.76,-0.64 -0.38,129.97 329.82,129.97

## Text on the board
B.Silkscreen: 17 - COL 7 | 16 - COL 8 | 6 ROW 8 | 14 - ROW 2 | 15 - ROW 4 | 6 - ROW 8 | 18 - ROW 6 | 2 POW LED | 4 COL 2 | 8 COL 3 | 10 COL 5 | 12 ROW 3 | 14 ROW 2 | 16 COL 8 | 18 ROW 6 | 20 COL 9 | 22 SELECT | 24 RESET | (7,20) | (6,20) | (7,19) | (7,16) | (6,19) | (6,16) | (5,4) | (6,4) | (3,21) | (3,22) | (3,23) | (13,20) | (3,24) | 6 | F4 | 7 | F2 | F3 | F1 | 16 | 19 | 7 - ROW 5 | 12 - ROW 3 | 13 - ROW 1 | 5 - ROW 7 | 5V 1 | GND 3 | ROW 7 5 | ROW 5 7 | COL 4 9 | COL 6 11 | ROW 1 13 | ROW 4 15 | COL 7 17 | COL 1 19 | START 21 | OPTN 23 | (18,16) | 11 - COL 6 | 10 - COL 5 | 9 - COL 4 | 8 - COL 3 | 4 - COL 2 | 19 - COL 1 | Decent XE Keyboard rev. 15v © Bertrand Le Roy 2024 / github.com/bleroy/3d-junkyard/tree/main/DecentXE / atariage.com/forums/profile/76850-screamingattheradio/ / youtube.com/@ScreamingAtTheRadio / twitch.tv/screamingattheradio | Set | _ | \ | | | ^ | Control | Space | Del | Break | Return | Caps | Help | Start | Select | Option | Reset | Clr | Esc | Shift | ! | Q | A | {dblquote} | Z | W | S | # | X | E | D | $ | C | R | F | % | V | T | G | & | B | Y | H | N | U | J | M | I | K | [ | ( | O | L | ] | ) | P | : | Clear | ? | Insert | 1 | 2 | 3 | 4 | 5 | 8 | 9 | 0 | Tab | , | . | ; | / | - | + | = | ' | @ | < | > | *
F.Silkscreen: 5 | 10 | 15 | 20 | 25 | Backlight | 1 5V | GND | 5 ROW 7 | 7 ROW 5 | 9 COL 4 | 11 COL 6 | 13 ROW 1 | 15 ROW 4 | 17 COL 7 | 19 COL 1 | 21 START | 23 OPTION | (18,16) | 6 | F4 | 7 | F2 | F3 | F1 | 16 | 19 | ROW 8 6 | POW LED 2 | COL 2 4 | COL 3 8 | COL 5 10 | ROW 3 12 | ROW 2 14 | COL 8 16 | ROW 6 18 | COL 9 20 | SELECT 22 | RESET 24 | Decent XE Keyboard rev. 15v © Bertrand Le Roy 2024 / github.com/bleroy/3d-junkyard/tree/main/DecentXE / atariage.com/forums/profile/76850-screamingattheradio/ / twitch.tv/screamingattheradio / youtube.com/@ScreamingAtTheRadio | Clr | Shift | Esc | ! | Q | A | {dblquote} | Z | W | S | # | X | E | D | $ | C | R | F | % | V | T | G | & | B | Y | H | N | U | J | M | I | K | ( | [ | O | L | ) | ] | P | : | Clear | ? | Insert | Control | 1 | 2 | 3 | Space | 4 | 8 | 9 | 0 | Del | Return | Caps | Break | Tab | , | . | ; | / | - | + | = | Set | Help | Start | _ | \ | Select | | | ^ | Option | Reset | ' | @ | < | > | *
